# Altium PCB INF_PRO.PcbDoc (part 2 of 2)
Units mil, origin at the board's own origin, x right, y up, seen from the top; angles counter-clockwise.
Board outline 5716.71 x 3551.48 mil, 2 copper layers (Top Layer, Bottom Layer); 197 components, 160 nets, 707 pads, 111 vias.
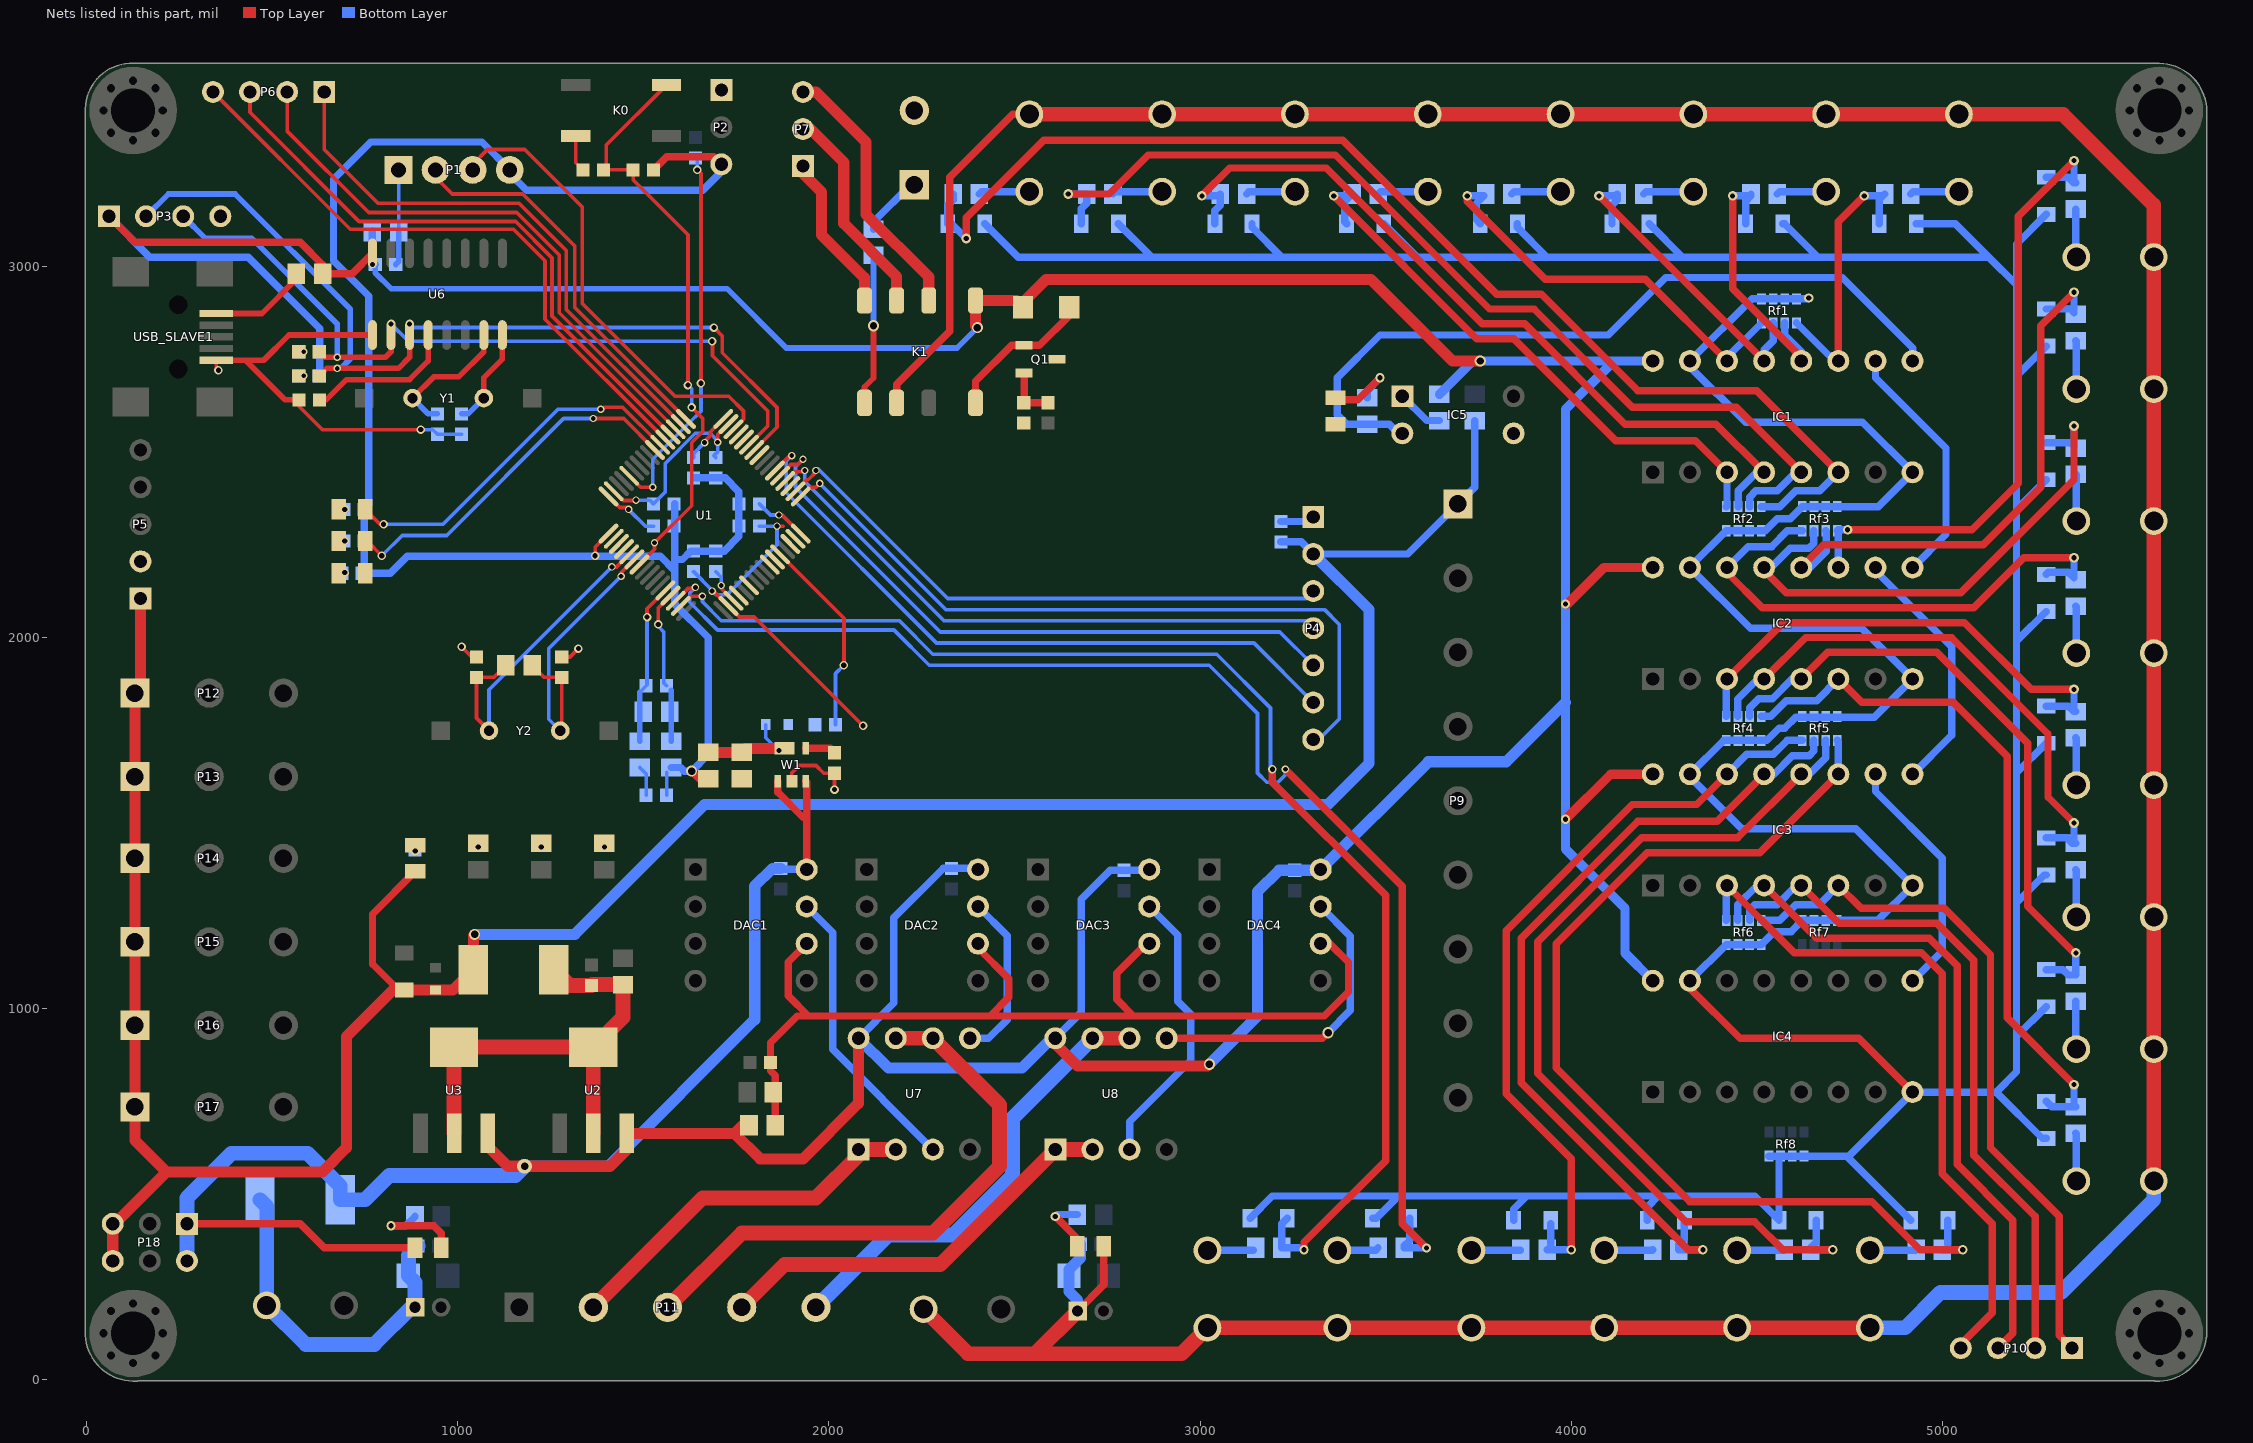
[diagram p2: the nets of this part, all layers, seen from the top]

## Via types
v1: diameter 20, hole 13, Top Layer to Bottom Layer, 34 vias
v2: diameter 23, hole 14, Top Layer to Bottom Layer, 33 vias
v3: diameter 26, hole 14, Top Layer to Bottom Layer, 24 vias
v4: diameter 25, hole 14, Top Layer to Bottom Layer, 12 vias
v5: diameter 30, hole 20, Top Layer to Bottom Layer, 7 vias
v6: diameter 40, hole 20, Top Layer to Bottom Layer, 1 vias

## Nets (pads, with @x,y where several pads share a name; then routed paths per layer and width w, separated by ;. In a path a pad name is that pad's centre, name@x,y a point inside that pad or via, vN(x,y) a via of type N, cw(c..) or ccw(c..) an arc to the next point about the centre after c; other vN are vias at no path point) (continued)
GND: BE.2 C1.2 C2.2 C3.2 C4.1 C5.1 C6.2 C7.2 C8.1 C11.2 C12.2 C24.2 C38.2 C39.1 C40.2 C41.1 C42.1 D2.1 D3.1 D5.1 D6.1 D7.1 D8.1 D9.1 D10.1 D11.1 D12.1 D13.1 D16.1 D17.1 D18.1 D19.1 D20.1 D21.1 D22.1 D23.1 D24.1 D25.1 D26.1 D27.1 IC1.8 IC1.15 IC2.8 IC2.15 IC3.8 IC3.15 IC4.8 IC4.15 IC5.3 K0.1 L2.1 LED3.2 LED4.2 P1.1 P2.1 P3.4 P4.1 P5.2 Q1.3 R00.2 R1.1 R01.2 R02.2 R43.2 Rf1.5 Rf1.6 Rf1.7 Rf1.8 Rf2.5 Rf2.6 Rf2.7 Rf2.8 Rf3.5 Rf3.6 Rf3.7 Rf3.8 Rf4.5 Rf4.6 Rf4.7 Rf4.8 Rf5.5 Rf5.6 Rf5.7 Rf5.8 Rf6.5 Rf6.6 Rf6.7 Rf6.8 Rf7.5 Rf7.6 Rf7.7 Rf7.8 Rf8.5 Rf8.6 Rf8.7 Rf8.8 U1.18 U1.31 U1.47 U1.63 U6.1 USB_SLAVE1.5 W1.2 | length 18865
  Top Layer w10: v2(355,2720) 349.06,2725.94 USB_SLAVE1.5@349.06,2747.01 USB_SLAVE1.5@385,2747.01 ; C40.2@572.44,2640 572.44,2622.56 635,2560 v2(900,2560) ; v2(1010,1975) 1037.44,1947.56 C6.2@1050,1947.56 ; C7.2@1280,1947.56 1302.56,1947.56 v2(1325,1970) ; K0.1@1317.95,3351.1 1317.95,3279.49 C5.1@1337.44,3260 ; U1.63@1420.02,2394.03 1444.05,2370 1446.56,2370 1446.56,2369.16 1479.16,2369.16 v1(1480,2370) ; v1(1685,2125) 1689.05,2125 U1.18@1729.03,2085.02 1759.05,2055 1798.94,2055 v2(2091.97,1761.97) ; v1(1700,2525.95) 1700,2545.95 U1.47@1729.03,2574.98 ; v1(1860,2300) 1876.92,2300 ; W1.2@1900,1612.52 1900,1635 1920,1655 1965,1655 1985.75,1634.25 C12.2@2015,1634.25 v2(2015,1590)
  Top Layer w15: USB_SLAVE1.5@385,2747.01 427.99,2747.01 ; C40.2@572.44,2640 535,2640 427.99,2747.01 ; U6.1@770,2815 545,2815 477.01,2747.01 427.99,2747.01
  Top Layer w20: IC4.15@4320,1075 4320,1055 4455,920 4775,920 IC4.8@4920,775
  Bottom Layer w10: P1.1@840,3260 840.43,3259.57 C38.2@840.43,3095 ; v2(900,2560) 932.44,2560 C42.1@945,2547.44 C41.1@1010,2547.44 ; v1(1480,2370) 1517.44,2370 C1.2@1527.44,2360 1527.44,2360.11 1559.04,2391.72 1559.04,2469.04 1640,2550 1680,2550 1700,2530 v1(1700,2525.95) 1700,2500 1690,2490 C2.2@1695,2485 ; L2.1@1490,1649.57 1507.44,1632.13 C8.1@1507.44,1575 ; C3.2@1635,2177.44 1685,2127.44 v1(1685,2125) 1695,2115 1725,2115 1860,2250 v1(1860,2300) C4.1@1812.56,2300
  Bottom Layer w15: C39.1@832.56,3005 840.43,3012.87 C38.2@840.43,3095
  Bottom Layer w20: D11.1@2420,3115 2510,3025 2865,3025 ; D10.1@2780,3115 2865,3030 2865,3025 ; D27.1@3135,435 3195,495 3880,495 ; D9.1@3140,3115 3140,3105 3220,3025 ; C24.2@3217.75,2312.56 P4.1@3292.56,2312.56 ; D26.1@3465,435 3475,435 3525,485 ; D8.1@3495,3115 3585,3025 ; D25.1@3845,430 3845,460 3880,495 ; D7.1@3855,3115 3855,3105 3935,3025 ; 3870,485 3880,495 ; D24.1@4205,430 4205,465 4235,495 ; D6.1@4210,3115 4300,3025 ; IC4.15@4320,1075 4417.5,1172.5 Rf6.8@4417.76,1172.5 Rf6.7@4449.25,1172.5 Rf6.6@4480.75,1172.5 Rf6.5@4512.24,1172.5 4547.24,1207.5 4592.5,1207.5 4622.5,1237.5 Rf7.5@4622.76,1237.5 Rf7.6@4654.25,1237.5 Rf7.7@4685.75,1237.5 Rf7.8@4717.24,1237.5 4825.83,1237.5 IC3.8@4920,1331.67 4766.67,1485 4460,1485 4320,1625 IC3.15@4320,1631.67 4410.83,1722.5 Rf4.8@4417.76,1722.5 Rf4.7@4449.25,1722.5 Rf4.6@4480.75,1722.5 Rf4.5@4512.24,1722.5 4527.5,1722.5 4560,1755 4575,1755 4605,1785 4816.67,1785 IC2.8@4920,1888.33 4783.33,2025 4483.33,2025 IC2.15@4320,2188.33 4320,2189.74 Rf2.8@4417.76,2287.5 Rf2.7@4449.25,2287.5 Rf2.6@4480.75,2287.5 Rf2.5@4512.24,2287.5 4522.5,2287.5 4555,2320 4590.26,2320 Rf3.5@4622.76,2352.5 Rf3.6@4654.25,2352.5 Rf3.7@4685.75,2352.5 Rf3.8@4717.24,2352.5 4827.5,2352.5 IC1.8@4920,2445 4785,2580 4470,2580 4320,2730 IC1.15@4320,2745 4487.5,2912.5 Rf1.5@4512.76,2912.5 Rf1.6@4544.25,2912.5 Rf1.7@4575.75,2912.5 Rf1.8@4607.24,2912.5 4637.5,2912.5 v4(4640,2915) ; Rf8.8@4532.76,602.5 Rf8.7@4564.25,602.5 Rf8.6@4595.75,602.5 Rf8.5@4627.24,602.5 4742.5,602.5 ; Rf8.7@4560,598.25 D23.1@4560,430 4495,495 4235,495 ; D5.1@4570,3115 4575,3115 4665,3025 ; D22.1@4915,430 4742.5,602.5 ; D2.1@4930,3115 5035,3115 5125,3025 ; 5200,2950 5125,3025 ; D21.1@5280,650 5270,650 5145,775 ; D20.1@5280,1005 5200,925 ; D19.1@5280,1360 5275,1360 5200,1285 ; D18.1@5280,1715 5200,1635 ; D17.1@5280,2070 5205,1995 5200,1995 ; D16.1@5280,2425 5200,2345 ; D13.1@5280,2785 5210,2715 5200,2715 ; D12.1@5280,3140 5200,3060 5200,2715 ; 2865,3025 3220,3025 ; 3220,3025 3585,3025 ; 3585,3025 3935,3025 ; 3880,495 4235,495 ; 3935,3025 4300,3025 ; 4300,3025 4665,3025 ; 4665,3025 5125,3025 ; 4742.5,602.5 4747.5,602.5 IC4.8@4920,775 5145,775 ; 5145,775 5200,830 5200,925 ; 5200,925 5200,1285 ; 5200,1285 5200,1635 ; 5200,1635 5200,1995 ; 5200,1995 5200,2345 ; 5200,2345 5200,2715
  other v2: 1055,1435 1225,1435 1395,1435
INT1: D26.2 R40.1 U1.14 | length 3630
  Top Layer w10: U1.14@1587.05,2098.94 1620,2131.89 1636.89,2131.89 v1(1640,2135)
  Top Layer w20: v1(3230,1645) 3545,1330 3545,420 v4(3610,355)
  Bottom Layer w10: v1(1640,2135) 1625,2120 1625,2095 1700,2020 2175,2020 2270,1925 3025,1925 3155,1795 3155,1635 3180,1610 3210,1610 3230,1630 v1(3230,1645)
  Bottom Layer w20: D26.2@3565,435 3565,375 3550.43,360.43 R40.1@3550.43,355 v4(3610,355)
INT2: D27.2 R41.1 U1.15 | length 3560.5
  Top Layer w10: U1.15@1600.97,2085.02 1626.95,2111 v1(1659,2111)
  Top Layer w20: v2(3195,1645) 3195,1610 3500,1305 3500,590 3280,370 v4(3280,350)
  Bottom Layer w10: v1(1659,2111) 1659,2096 1710,2045 2190,2045 2280,1955 3045,1955 3190,1810 3190,1650 v2(3195,1645)
  Bottom Layer w20: D27.2@3235,435 3220.43,420.43 R41.1@3220.43,355 3275,355 v4(3280,350)
LED0: D0.2 U1.54 | length 985.7
  Top Layer w10: D0.2@750.43,2345 790.43,2305 v2(800,2305) ; v1@1385,2610 1395,2620 1444.6,2620 U1.54@1545.29,2519.3
  Bottom Layer w10: v2(800,2305) 960,2305 1270,2615 v1(1385,2615)
LED1: D1.2 U1.55 | length 985.8
  Top Layer w10: D1.2@750.43,2260 755,2260 v2(795,2220) ; v1(1365,2590) 1446.76,2590 U1.55@1531.37,2505.38
  Bottom Layer w10: v2(795,2220) 850,2275 970,2275 1285,2590 v1(1365,2590)
LINE1: D2.2 IC1.11 R13.1 Rf1.1 | length 786
  Top Layer w20: IC1.11@4720,2745 4720,3120 v3(4790,3190)
  Bottom Layer w20: Rf1.1@4607.24,2847.5 4709.74,2745 IC1.11@4720,2745 IC1.11@4730,2755 ; v3(4790,3190) 4839.57,3190 R13.1@4844.57,3195 4830,3180.43 D2.2@4830,3115
LINE2: D5.2 IC1.12 R14.1 Rf1.2 | length 773.1
  Top Layer w20: v3(4435,3190) 4435,2940 4620,2755 IC1.12@4620,2745
  Bottom Layer w20: v3(4435,3190) R14.1@4479.57,3190 ; D5.2@4470,3115 4470,3175 4484.57,3189.57 R14.1@4484.57,3195 ; Rf1.2@4575.75,2847.5 4575.75,2814.25 4620,2770 IC1.12@4620,2745
LINE3: D6.2 IC1.13 R16.1 Rf1.3 | length 872.5
  Top Layer w20: v3(4075,3190) IC1.13@4520,2745
  Bottom Layer w20: v3(4075,3190) R16.1@4119.57,3190 ; D6.2@4110,3115 4110,3165 4124.57,3179.57 R16.1@4124.57,3195 ; IC1.13@4520,2745 4520,2775 4544.25,2799.25 Rf1.3@4544.25,2847.5
LINE4: D7.2 IC1.14 R17.1 Rf1.4 | length 1165.8
  Top Layer w20: v3(3720,3190) 3720,3175 3930,2965 4200,2965 IC1.14@4420,2745
  Bottom Layer w20: v3(3720,3190) 3764.57,3190 3745,3170.43 3745,3125 D7.2@3755,3115 ; IC1.14@4420,2745 4420,2754.74 Rf1.4@4512.76,2847.5
LINE5: D8.2 IC1.3 R18.1 Rf2.1 | length 1589.7
  Top Layer w20: v3(3360,3190) 3745,2805 3845,2805 4120,2530 4335,2530 IC1.3@4420,2445
  Bottom Layer w20: v3(3360,3190) 3404.57,3190 3390,3175.43 3390,3120 D8.2@3395,3115 ; Rf2.1@4417.76,2352.5 4420,2354.74 IC1.3@4420,2445
LINE6: D9.2 IC1.4 R19.1 Rf2.2 | length 2149.5
  Top Layer w20: v3(3005,3190) 3080,3265 3340,3265 3760,2845 3875,2845 4145,2575 4390,2575 IC1.4@4520,2445
  Bottom Layer w20: v3(3005,3190) R19.1@3049.57,3190 ; D9.2@3040,3115 3040,3150 3054.57,3164.57 R19.1@3054.57,3195 ; Rf2.2@4450,2352.5 4450,2395 4500,2445 IC1.4@4520,2445
LINE7: D10.2 IC1.5 R20.1 Rf2.3 | length 2700.9
  Top Layer w20: v3(2645,3195) 2755,3195 2860,3300 3365,3300 3780,2885 3900,2885 4165,2620 4445,2620 IC1.5@4620,2445
  Bottom Layer w20: v3(2645,3195) R20.1@2694.57,3195 2694.57,3169.57 2680,3155 D10.2@2680,3115 ; Rf2.3@4480.75,2352.5 4480.75,2378.32 4497.43,2395 4555,2395 4605,2445 IC1.5@4620,2445
LINE8: D11.2 IC1.6 R21.1 Rf2.4 | length 3262.1
  Top Layer w20: v3(2370,3075) 2370,3131.18 2578.82,3340 3385,3340 3800,2925 3920,2925 4180,2665 4500,2665 IC1.6@4720,2445
  Bottom Layer w20: R21.1@2334.57,3195 2334.57,3179.57 2320,3165 D11.2@2320,3115 2330,3115 v3(2370,3075) ; Rf2.4@4512.24,2352.5 4562.5,2352.5 4605,2395 4670,2395 IC1.6@4720,2445
LINE9: D12.2 IC2.11 R22.1 Rf3.1 | length 1713.6
  Top Layer w20: v3(4745,2290) 5080,2290 5205,2415 5205,3135 v3(5355,3285)
  Bottom Layer w20: IC2.11@4720,2188.33 4720,2284.74 Rf3.1@4717.24,2287.5 4719.74,2290 v3(4745,2290) ; D12.2@5280,3240 5340,3240 5354.57,3225.43 R22.1@5360,3225.43 ; R22.1@5355,3230.43 v3(5355,3285)
LINE10: D13.2 IC2.12 R23.1 Rf3.2 | length 1581.2
  Top Layer w20: IC2.12@4628.33,2188.33 IC2.12@4620,2188.33 4620,2190 4680,2250 5110,2250 5265,2405 5265,2840 v3(5355,2930)
  Bottom Layer w20: IC2.12@4620,2188.33 4643.33,2188.33 4687.24,2232.24 4687.24,2286 Rf3.2@4685.75,2287.5 ; D13.2@5280,2885 5345.43,2885 5355,2875.43 v3(5355,2930)
LINE11: D16.2 IC2.13 R24.1 Rf3.3 | length 1467.9
  Top Layer w20: IC2.13@4520,2188.33 4520,2180 4580,2120 5050,2120 5355,2425 v3(5355,2570)
  Bottom Layer w20: IC2.13@4520,2188.33 4538.33,2188.33 4590,2240 4640,2240 4654.25,2254.25 Rf3.3@4654.25,2287.5 ; D16.2@5280,2525 5345.43,2525 5355,2515.43 v3(5355,2570)
LINE12: D17.2 IC2.14 R25.1 Rf3.4 | length 1425.5
  Top Layer w20: IC2.14@4420,2188.33 4420,2175 4515,2080 5085,2080 5220,2215 v3(5355,2215)
  Bottom Layer w20: IC2.14@4420,2188.33 4476.67,2245 4540,2245 4582.5,2287.5 Rf3.4@4622.76,2287.5 ; D17.2@5280,2170 5285.43,2175.43 5340,2175.43 5355,2160.43 v3(5355,2215)
LINE13: D18.2 IC2.3 R26.1 Rf4.1 | length 1314.7
  Top Layer w20: IC2.3@4420,1888.33 4571.67,2040 5060,2040 5240,1860 v3(5355,1860)
  Bottom Layer w20: Rf4.1@4417.76,1787.5 4417.76,1886.09 IC2.3@4420,1888.33 ; D18.2@5280,1815 5340,1815 5354.57,1800.43 R26.1@5360,1800.43 ; R26.1@5355,1805.43 v3(5355,1860)
LINE14: D19.2 IC2.4 R27.1 Rf4.2 | length 1463.4
  Top Layer w20: IC2.4@4520,1888.33 4631.67,2000 5025,2000 5285,1740 5285,1570 v3(5355,1500)
  Bottom Layer w20: Rf4.2@4449.25,1787.5 4449.25,1834.25 4503.33,1888.33 IC2.4@4520,1888.33 ; D19.2@5280,1460 5335,1460 5349.57,1445.43 R27.1@5360,1445.43 ; R27.1@5355,1450.43 v3(5355,1500)
LINE15: D20.2 IC2.5 R28.1 Rf4.3 | length 1703.2
  Top Layer w20: IC2.5@4620,1888.33 4691.67,1960 4985,1960 5230,1715 5230,1275 5355,1150 v3(5360,1150)
  Bottom Layer w20: Rf4.3@4480.75,1787.5 4480.75,1810.75 4505,1835 4542.57,1835 4595.91,1888.33 IC2.5@4620,1888.33 ; D20.2@5280,1105 5325,1105 5339.57,1090.43 R28.1@5360,1090.43 v3(5360,1150)
LINE16: D21.2 IC2.6 R29.1 Rf4.4 | length 1891
  Top Layer w20: IC2.6@4720,1888.33 4783.33,1825 5030,1825 5175,1680 5175,975 v3(5355,795)
  Bottom Layer w20: Rf4.4@4512.24,1787.5 4537.5,1787.5 4580,1830 4661.67,1830 IC2.6@4720,1888.33 ; D21.2@5280,750 5294.57,735.43 R29.1@5360,735.43 ; R29.1@5355,740.43 v3(5355,795)
LINE17: D22.2 IC3.11 R30.1 Rf5.1 | length 2793.7
  Top Layer w20: IC3.11@4720,1631.67 4508.33,1420 4205,1420 3960,1175 3960,840 4320,480 4810,480 4940,350 v3(5055,350)
  Bottom Layer w20: Rf5.1@4717.24,1722.5 4720,1719.74 IC3.11@4720,1631.67 ; R30.1@5000.43,350 v3(5055,350) ; R30.1@5015,365 D22.2@5015,430
LINE18: D23.2 IC3.12 R31.1 Rf5.2 | length 2520.2
  Top Layer w20: IC3.12@4620,1631.67 4448.33,1460 4190,1460 3910,1180 3910,825 4310,425 4495,425 4570,350 v3(4705,350)
  Bottom Layer w20: IC3.12@4620,1631.67 4641.67,1631.67 4685.75,1675.75 Rf5.2@4685.75,1722.5 ; D23.2@4660,430 4660,370 4645.43,355.43 R31.1@4645.43,350 v3(4705,350)
LINE19: D24.2 IC3.13 R32.1 Rf5.3 | length 2243.4
  Top Layer w20: v3(4355,350) 4315,350 3865,800 3865,1190 4180,1505 4393.33,1505 IC3.13@4520,1631.67
  Bottom Layer w20: D24.2@4305,430 4305,380 4290.43,365.43 R32.1@4290.43,350 v3(4355,350) ; IC3.13@4520,1631.67 4546.67,1631.67 4596.19,1681.19 4641.19,1681.19 4654.25,1694.25 Rf5.3@4654.25,1722.5
LINE20: D25.2 IC3.14 R33.1 Rf5.4 | length 2077.5
  Top Layer w20: v3(4000,350) 4000,595 3825,770 3825,1210 4165,1550 4338.33,1550 IC3.14@4420,1631.67
  Bottom Layer w20: R33.1@3935.43,350 v3(4000,350) ; R33.1@3945.43,350 D25.2@3945.43,420.43 ; IC3.14@4420,1631.67 4473.33,1685 4545,1685 4582.5,1722.5 Rf5.4@4622.76,1722.5
LINE21: IC3.3 P10.4 Rf6.1 | length 1870.5
  Top Layer w20: IC3.3@4420,1331.67 4601.67,1150 4944.06,1150 5000,1094.06 5000,555 5135,420 5135,180 5050,95 P10.4@5050,85
  Bottom Layer w20: Rf6.1@4417.76,1237.5 IC3.3@4417.76,1329.42
LINE22: IC3.4 P10.3 Rf6.2 | length 1852.7
  Top Layer w20: IC3.4@4520,1331.67 4661.67,1190 4965,1190 5040,1115 5040,580 5190,430 5190,125 P10.3@5150,85
  Bottom Layer w20: Rf6.2@4449.25,1237.5 4449.25,1279.25 4501.67,1331.67 IC3.4@4520,1331.67
LINE23: IC3.5 P10.2 Rf6.3 | length 1856.7
  Top Layer w20: IC3.5@4620,1331.67 4721.67,1230 4985,1230 5085,1130 5085,605 5250,440 P10.2@5250,85
  Bottom Layer w20: Rf6.3@4480.75,1237.5 4480.75,1265.75 4495,1280 4555,1280 4606.67,1331.67 IC3.5@4620,1331.67
LINE24: IC3.6 P10.1 Rf6.4 | length 1885.2
  Top Layer w20: IC3.6@4720,1331.67 4781.67,1270 5005,1270 5130,1145 5130,625 5315,440 5315,120 P10.1@5350,85
  Bottom Layer w20: Rf6.4@4512.24,1237.5 4562.5,1237.5 4605,1280 4668.33,1280 IC3.6@4720,1331.67
NetBE_1: BE.1 R44.2 | length 171
  Bottom Layer w20: R44.2@2120,3100.43 2120,3120 2220,3220 BE.1@2230,3220
NetC11_1: C11.1 D3.2 F2.1 W1.5 | length 294.2
  Top Layer w30: F2.1@1675,1690.43 C11.1@1765,1690.43 1775.67,1701.1 W1.5@1880.32,1701.1
  Bottom Layer w10: D3.2@1830,1765 1830,1730 v1(1865,1695)
NetC12_1: C12.1 W1.4 | length 82.5
  Top Layer w20: W1.4@1937.4,1701.1 2003.27,1701.1 C12.1@2015,1689.37
NetC14_1: C14.1 C15.2 F4.1 U2.2 U2.4 U3.2 U3.4 | length 1246.4
  Top Layer w40: U3.2@990,663.86 U3.4@990,896.14 U2.4@1365,896.14 ; F4.1@1258.27,1105 1300.83,1062.44 C15.2@1360,1062.44 1362.13,1064.57 C14.1@1445,1064.57 1445,976.14 U2.4@1365,896.14 ; U2.2@1365,663.86 U2.4@1365,896.14
NetC25_1: C25.1 C27.2 Ce1.1 F1.1 JS5.1 | length 960.6
  Bottom Layer w40: F1.1@466.73,485 485,466.73 JS5.1@485,200 590,95 775,95 875,195 Ce1.1@885,195 885,261.85 C25.1@866.85,280 866.85,334.41 C27.2@892.44,360
NetC40_1: C40.1 U6.4 | length 405.9
  Top Layer w15: C40.1@627.56,2640 645,2640 700,2695 870,2695 920,2745 U6.4@920,2815
NetC41_2: C41.2 U6.8 Y1.1 | length 268.3
  Top Layer w15: Y1.1@1070,2645 1070,2700 1120,2750 U6.8@1120,2815
  Bottom Layer w15: C41.2@1010,2602.56 1027.56,2602.56 Y1.1@1070,2645
NetC42_2: C42.2 U6.7 Y1.2 | length 373.6
  Top Layer w15: Y1.2@877.87,2645 935,2702.13 1002.13,2702.13 1070,2770 U6.7@1070,2815
  Bottom Layer w15: Y1.2@877.87,2645 920.31,2602.56 C42.2@945,2602.56
NetC45_2: C45.2 DAC1.6 DAC2.6 DAC3.6 DAC4.6 R37.1 R38.2 | length 2761.4
  Top Layer w20: R38.2@1855.43,685 1855.43,819.57 1842.56,832.44 C45.2@1842.56,855 1842.56,907.56 1915,980 1945,980 ; DAC1.6@1940,1175 1890.47,1125.47 1890.47,1034.53 1945,980 ; DAC2.6@2401.67,1175 2401.67,1163.33 2485,1080 2485,1030 2435,980 ; DAC3.6@2863.33,1175 2855,1175 2775,1095 2775,1025 2820,980 ; DAC4.6@3325,1175 3350,1175 3400,1125 3400,1045 3335,980 2820,980 ; 1945,980 2820,980
NetD0_1: D0.1 R9.2
  other v2: 695,2345
NetD1_1: D1.1 R10.2
  other v2: 695,2260
NetDAC1_7: DAC1.7 U7.3 | length 795.8
  Bottom Layer w20: DAC1.7@1940,1275 2010,1205 2010,890 U7.3@2280,620
NetDAC2_7: DAC2.7 U7.5 | length 458.2
  Bottom Layer w20: U7.5@2380,920 2430,920 2480,970 2480,1196.67 DAC2.7@2401.67,1275
NetDAC3_7: DAC3.7 U8.3 | length 769.6
  Bottom Layer w20: U8.3@2810,620 2810,695 2975,860 2975,985 2940,1020 2940,1198.33 DAC3.7@2863.33,1275
NetDAC4_7: DAC4.7 U8.5 | length 844.2
  Top Layer w20: U8.5@2910,920 3330,920 v5(3345,935) ; DAC4.7@3325,1275 DAC4.7@3330,1275
  Bottom Layer w20: DAC4.7@3325,1275 3405,1195 3405,995 v5(3345,935)
NetDK_1: DK.1 K1.8 Q1.1 | length 406.1
  Top Layer w20: K1.8@2395,2632.2 2395,2690 2492.4,2787.4 Q1.1@2525.71,2787.4 2567.4,2787.4 2647,2867 DK.1@2647,2890
NetF3_1: F3.1 USB_SLAVE1.1 | length 268.3
  Top Layer w15: USB_SLAVE1.1@349.06,2872.99 472.01,2872.99 564.57,2965.55 F3.1@564.57,2980
NetIC1_9: IC1.9 IC5.2 R36.1 | length 2071.2
  Bottom Layer w20: IC5.2@3545,2550 3534.57,2550 3510,2574.57 R36.1@3450,2574.57 3395.43,2574.57 3370,2600 3370,2700 3485,2815 4100,2815 4255,2970 4730,2970 4920,2780 IC1.9@4920,2745
NetIC1_10: IC1.10 IC2.9 | length 672.6
  Bottom Layer w20: IC1.10@4820,2745 4820,2700 5010,2510 5010,2278.33 IC2.9@4920,2188.33
NetIC2_10: IC2.10 IC3.9 | length 685.1
  Bottom Layer w20: IC2.10@4820,2188.33 4820,2180 5025,1975 5025,1736.67 IC3.9@4920,1631.67
NetIC3_10: IC3.10 IC4.9 | length 664.4
  Bottom Layer w20: IC3.10@4820,1631.67 4820,1585 5000,1405 5000,1155 IC4.9@4920,1075
NetIC5_1: IC5.1 R34.2 | length 127.1
  Bottom Layer w20: IC5.1@3545,2650 3610.43,2584.57 R34.2@3645,2584.57
NetJ1_2: J1.2 R13.2 | length 132.2
  Bottom Layer w20: R13.2@4915.43,3195 4921.77,3201.34 J1.2@5045,3201.34
NetJ2_2: J2.2 R14.2 | length 134.3
  Bottom Layer w20: R14.2@4555.43,3195 4561.77,3201.34 J2.2@4687.14,3201.34
NetJ3_2: J3.2 R16.2 | length 136.5
  Bottom Layer w20: R16.2@4195.43,3195 4201.77,3201.34 J3.2@4329.29,3201.34
NetJ4_2: J4.2 R17.2 | length 133.6
  Bottom Layer w20: R17.2@3840.43,3195 3846.77,3201.34 J4.2@3971.43,3201.34
NetJ5_2: J5.2 R18.2 | length 135.8
  Bottom Layer w20: R18.2@3480.43,3195 3486.77,3201.34 J5.2@3613.57,3201.34
NetJ6_2: J6.2 R19.2 | length 132.9
  Bottom Layer w20: R19.2@3125.43,3195 3131.77,3201.34 J6.2@3255.71,3201.34
NetJ7_2: J7.2 R20.2 | length 135
  Bottom Layer w20: R20.2@2765.43,3195 2771.77,3201.34 J7.2@2897.86,3201.34
NetJ8_2: J8.2 R21.2 | length 137.2
  Bottom Layer w20: R21.2@2405.43,3195 2411.77,3201.34 J8.2@2540,3201.34
NetJ9_2: J9.2 R22.2 | length 130.1
  Bottom Layer w20: R22.2@5360,3154.57 5360,3026.34 J9.2@5361.34,3025
NetJ10_2: J10.2 R23.2 | length 130.8
  Bottom Layer w20: R23.2@5360,2799.57 5361.34,2798.23 J10.2@5361.34,2669.29
NetJ11_2: J11.2 R24.2 | length 126.6
  Bottom Layer w20: R24.2@5360,2439.57 5361.34,2438.23 J11.2@5361.34,2313.57
NetJ12_2: J12.2 R25.2 | length 127.3
  Bottom Layer w20: R25.2@5360,2084.57 5361.34,2083.23 J12.2@5361.34,1957.86
NetJ13_2: J13.2 R26.2 | length 128
  Bottom Layer w20: R26.2@5360,1729.57 5361.34,1728.23 J13.2@5361.34,1602.14
NetJ14_2: J14.2 R27.2 | length 128.7
  Bottom Layer w20: R27.2@5360,1374.57 5361.34,1373.23 J14.2@5361.34,1246.43
NetJ15_2: J15.2 R28.2 | length 129.4
  Bottom Layer w20: R28.2@5360,1019.57 5360,892.05 J15.2@5361.34,890.71
NetJ16_2: J16.2 R29.2 | length 130.1
  Bottom Layer w20: R29.2@5360,664.57 5361.34,663.23 J16.2@5361.34,535
NetJ17_2: J17.2 R30.2 | length 125.2
  Bottom Layer w20: J17.2@4804.96,348.66 4928.23,348.66 R30.2@4929.57,350
NetJ18_2: J18.2 R31.2 | length 128
  Bottom Layer w20: J18.2@4447.1,348.66 4573.23,348.66 R31.2@4574.57,350
NetJ19_2: J19.2 R32.2 | length 130.9
  Bottom Layer w20: J19.2@4089.25,348.66 4218.23,348.66 R32.2@4219.57,350
NetJ20_2: J20.2 R33.2 | length 131.8
  Bottom Layer w20: J20.2@3731.39,348.66 R33.2@3863.23,348.66
NetJ21_2: J21.2 R40.2 | length 112.2
  Bottom Layer w20: J21.2@3370,348.66 3473.23,348.66 R40.2@3479.57,355
NetJ22_2: J22.2 R41.2 | length 123.2
  Bottom Layer w20: J22.2@3020,348.66 R41.2@3143.23,348.66
NetK1_2: K1.2 P7.3 | length 723.1
  Top Layer w30: P7.3@1930,3470 1965,3470 2100,3335 2100,3140 2269.02,2970.98 K1.2@2269.02,2907.8
NetK1_3: K1.3 P7.2 | length 578.5
  Top Layer w30: P7.2@1930,3370 1950,3370 2040,3280 2040,3115 2182.4,2972.6 K1.3@2182.4,2907.8
NetK1_4: K1.4 P7.1 | length 430.9
  Top Layer w30: P7.1@1930,3270 1930,3250 1980,3200 1980,3085 2095.79,2969.21 K1.4@2095.79,2907.8
NetK1_5: K1.5 R44.1 | length 407.4
  Top Layer w15: K1.5@2095.79,2632.2 2095.79,2675 2120,2699.21 v5(2120,2840)
  Bottom Layer w15: v5(2120,2840) R44.1@2120,3029.57
NetLED1_2: LED1.2 R45.1 | length 166.3
  Top Layer w20: v4(2610,440) 2669.57,380.43 LED1.2@2669.57,360
  Bottom Layer w20: v4(2610,440) 2615,445 R45.1@2669.57,445
NetLED2_2: LED2.2 R46.2 | length 258.6
  Top Layer w20: v4(820,415) 935,415 955.43,394.57 LED2.2@955.43,355
  Bottom Layer w20: v4(820,415) 860,415 884.57,439.57 R46.2@884.57,440
NetLED3_1: LED3.1 R36.2 | length 216.2
  Top Layer w20: LED3.1@3365,2645.43 3370.43,2640 3425,2640 v4(3485,2700)
  Bottom Layer w20: R36.2@3450,2645.43 3450,2665 v4(3485,2700)
NetLED4_1: LED4.1 R15.2
  other v2: 695,2175
NetLED5_1: LED5.1 R11.1
  other v1: 585,2770
NetLED6_1: LED6.1 R12.2
  other v1: 585,2705
NetLED7_2: LED7.2 R47.1
  other v4: 885,1425
NetP11_2: P11.2 U7.1 U7.2 | length 999.8
  Top Layer w40: P11.2@1365,195 1660,490 1965,490 2080,605 U7.1@2080,620 U7.2@2180,620
NetP11_3: P11.3 U7.6 U7.7 | length 1572
  Top Layer w40: P11.3@1565,195 1765,395 2280,395 2460,575 2460,740 U7.6@2280,920 U7.7@2180,920
NetP11_4: P11.4 U8.1 U8.2 | length 1121
  Top Layer w40: P11.4@1765,195 1880,310 2300,310 U8.1@2610,620 U8.2@2710,620
NetP11_5: P11.5 U8.6 U8.7 | length 1236.1
  Top Layer w40: U8.7@2710,920 U8.6@2810,920
  Bottom Layer w40: P11.5@1965,195 2160,390 2335,390 2495,550 2495,705 U8.7@2710,920
NetQ1_2: Q1.2 R42.2 R43.1 | length 145.3
  Top Layer w20: Q1.2@2525.71,2712.6 2525.71,2633.27 R43.1@2525,2632.56 R42.2@2590,2632.56
NetR1_2: R1.2 U1.28 | length 540.3
  Top Layer w10: U1.28@1868.22,2224.21 2040.75,2051.69 2040.75,1925.75 v2(2040,1925)
  Bottom Layer w10: R1.2@2017.56,1765 2017.56,1902.56 v2(2040,1925)
NetR2_2: R2.2 U1.60 | length 1024.5
  Top Layer w10: U1.60@1461.78,2435.79 1492.56,2405 v1(1525,2405) ; v2(1645,3260) 1655,3250 v2(1655,2685)
  Bottom Layer w10: v1(1525,2405) 1525,2480 1639.5,2594.5 1640.56,2594.5 1655.5,2609.44 1655.5,2684.5 v2(1655,2685) ; R2.2@1640,3292.44 1645,3287.44 v2(1645,3260)
NetR5_2: R5.2 U1.19 | length 98.4
  Top Layer w10: v1(1710,2140) 1710,2131.89 U1.19@1742.95,2098.94
  Bottom Layer w10: R5.2@1695,2177.44 1710,2162.44 v1(1710,2140)
NetR6_2: R6.2 U1.32 | length 144.5
  Top Layer w10: v1(1865,2330) 1873.79,2330 U1.32@1923.9,2279.89
  Bottom Layer w10: R6.2@1812.56,2360 1842.56,2330 v1(1865,2330)
NetR7_1: R7.1 U1.64 | length 154.5
  Top Layer w10: U1.64@1406.1,2380.11 1436.04,2350.16 1454.84,2350.16 v1(1460,2345)
  Bottom Layer w10: v1(1460,2345) 1505,2300 R7.1@1527.44,2300
NetR8_1: R8.1 U1.48 | length 137.5
  Top Layer w10: v1(1665,2525) 1665,2528.41 1680.92,2544.33 1680.92,2554.38 1696.9,2570.36 1697.54,2570.36 1715.11,2587.93 U1.48@1715.11,2588.9
  Bottom Layer w10: R8.1@1635,2485 1635,2495 v1(1665,2525)
OLED_CS: P4.7 U1.33 | length 1970.7
  Top Layer w10: U1.33@1923.9,2380.11 1925.11,2380.11 1950,2405 1965,2405 v1(1975,2415)
  Bottom Layer w10: v1(1975,2415) 2315,2075 3335,2075 3375,2035 3375,1780 3320,1725 P4.7@3305,1725
OLED_DC: P4.6 U1.38 | length 1822.6
  Top Layer w10: U1.38@1854.3,2449.71 1894.6,2490 v1(1900,2490)
  Bottom Layer w10: v1(1900,2490) 1885,2475 1885,2390 2290,1985 3145,1985 P4.6@3305,1825
OLED_RES: P4.5 U1.37 | length 1758.3
  Top Layer w10: U1.37@1868.22,2435.79 1869.19,2435.79 1870.74,2437.34 1870.74,2439.27 1897.47,2466 1916,2466 v1(1930,2480)
  Bottom Layer w10: v1(1930,2480) 1910,2460 1910,2405 2300,2015 3215,2015 P4.5@3305,1925
OSC_IN: C6.1 R4.2 U1.5 Y2.2 | length 890.1
  Top Layer w10: Y2.2@1083.94,1748.79 1050,1782.73 C6.1@1050,1892.44 1097.01,1892.44 R4.2@1129.57,1925 ; v1(1415,2190) 1427.56,2190 U1.5@1461.78,2224.21
  Bottom Layer w10: Y2.2@1083.94,1748.79 1083.94,1858.94 v1(1415,2190)
OSC_OUT: C7.1 R4.1 U1.6 Y2.1 | length 808.3
  Top Layer w10: R4.1@1200.43,1925 1232.99,1892.44 C7.1@1280,1892.44 1280,1752.72 Y2.1@1276.07,1748.79 ; v1(1440,2165) 1440,2174.6 U1.6@1475.7,2210.29
  Bottom Layer w10: Y2.1@1276.07,1748.79 1245,1779.85 1245,1970 v1(1440,2165)
PA4: U1.20
PA6: U1.22
PA8: U1.41
PA9: LED6.2 P3.2 U1.42 U6.3 | length 2459.6
  Top Layer w10: v2(1690,2835) 1712.5,2812.5 1712.5,2767.5 1860,2620 1860,2566.76 U1.42@1798.63,2505.38
  Top Layer w15: LED6.2@626.56,2705 646.56,2725 v1(675,2725) 840,2725 870,2755 U6.3@870,2815
  Bottom Layer w10: v2(870,2845) 870,2840 875,2835 v2(1690,2835)
  Bottom Layer w15: P3.2@160,3135 220,3195 400,3195 710,2885 710,2751.11 683.89,2725 v1(675,2725)
PA10: LED5.2 P3.3 U1.43 U6.2 | length 2124.1
  Top Layer w10: v2(1685,2798) 1686,2799 1686,2759 1835,2610 1835,2569.6 U1.43@1784.71,2519.3
  Top Layer w15: LED5.2@626.56,2770 641.56,2755 v1(675,2755) 805,2755 820,2770 U6.2@820,2815
  Bottom Layer w10: v2(820,2845) 867,2798 v2(1685,2798)
  Bottom Layer w15: P3.3@260,3135 320,3075 445,3075 675,2845 v1(675,2755)
PA11: U1.44
PA12: U1.45
PA15: P6.1 U1.50 | length 1515.7
  Top Layer w10: P6.1@640,3470 640,3315 785,3170 1165,3170 1292,3043 1292,2883.95 U1.50@1600.97,2574.98
PB0: U1.26
PB1: U1.27
PB11: U1.30
PB13: P4.3 U1.34 | length 1575.8
  Top Layer w10: U1.34@1909.98,2394.03 1940.95,2425 1943.94,2425 1965,2446.06 v1(1965,2450)
  Bottom Layer w10: v1(1965,2450) 1970,2455 2320,2105 3285,2105 P4.3@3305,2125
PB14: U1.35
PB15: P4.4 U1.36 | length 1631.8
  Top Layer w10: U1.36@1882.14,2421.87 1907.01,2446.73 1929.11,2446.73 1935,2452.62 v1(1935,2450)
  Bottom Layer w10: v1(1935,2450) 1935,2420 2310,2045 3285,2045 P4.4@3305,2025
PC10: P6.2 U1.51 | length 1576.2
  Top Layer w10: P6.2@540,3470 540,3365 760,3145 1158.74,3145 1273,3030.74 1273,2875.11 U1.51@1587.05,2561.06
PC11: P6.3 U1.52 | length 1639.3
  Top Layer w10: P6.3@440,3470 440,3415 734,3121 1155.87,3121 1254,3022.87 1254,2866.28 U1.52@1573.13,2547.14
PC12: P6.4 U1.53 | length 1699.5
  Top Layer w10: P6.4@340,3470 710,3100 1150,3100 1235,3015 1235,2857.44 U1.53@1559.21,2533.22
PC13: U1.2
PC14: U1.3
PC15: U1.4
RESET: C5.2 K0.2 R3.2 U1.7 | length 1573.5
  Top Layer w10: C5.2@1400,3260 R3.2@1472.44,3260 1472.44,3232.56 1620,3085 v2(1620,2680) ; C5.2@1400,3267.44 1400,3326.85 K0.2@1562.05,3488.9 ; U1.7@1489.62,2196.37 1490.58,2196.37 1490.58,2198.31 1530,2237.73 v1(1530,2255) 1630,2355 1630,2525 1660,2555 1660,2590 v2(1630,2620)
  Bottom Layer w10: v2(1620,2680) 1630,2670 v2(1630,2620)
SWCLK: P1.2 U1.49 | length 1061.9
  Top Layer w10: P1.2@940,3260 940,3240 985,3195 1175,3195 1315,3055 1315,2888.79 U1.49@1614.89,2588.9
SWDIO: P1.3 U1.46 | length 1286
  Top Layer w10: P1.3@1040,3240 P1.3@1040,3260 1040,3275 1080,3315 1180,3315 1335,3160 1335,2900 1585,2650 1730,2650 1770,2610 1770,2588.11 U1.46@1742.95,2561.06
VCC3.3: C24.1 D14.2 D15.2 F4.2 LED7.1 P4.2 P5.1 P9.1 P12.1 P13.1 P14.1 P15.1 P16.1 P17.1 P18.3 P18.6 R35.2 | length 7627.7
  Top Layer w20: D15.2@855,1050 840,1050 770,1120 770,1254.57 LED7.1@885,1369.57
  Top Layer w30: P18.6@70,320 P18.3@70,420 75,420 215,560 ; P5.1@145,2105 145,1865 P12.1@130,1850 P14.1@130,1405 P15.1@130,1180 P16.1@130,955 P17.1@130,735 130,645 215,560 ; D15.2@840,1050 825,1050 700,925 700,625 635,560 215,560 ; D15.2@855,1050 D14.2@940,1050 986.73,1050 F4.2@1041.73,1105 1041.73,1196.73 v5(1045,1200)
  Bottom Layer w20: C24.1@3217.75,2257.44 3272.56,2257.44 P4.2@3305,2225 3560,2225 P9.1@3695,2360 3740,2405 R35.2@3740,2584.57
  Bottom Layer w30: v5(1045,1200) 1315,1200 1665,1550 3345,1550 3455,1660 3455,2075 P4.2@3305,2225
VCC5: C20.1 C21.1 C22.1 C23.1 C38.1 C39.2 DAC1.8 DAC2.8 DAC3.8 DAC4.8 DK.2 F1.2 F3.2 IC1.16 IC2.16 IC3.16 IC4.16 K1.1 LED2.1 P3.1 P18.1 P18.4 R11.2 R12.1 R34.1 R38.1 U2.3 U3.3 U6.16 U7.8 U8.8 W1.1 W1.3 | length 16908.9
  Top Layer w20: P3.1@60,3135 130,3065 575,3065 635.43,3004.57 F3.2@635.43,2980 715,2980 U6.16@770,3035 ; P18.1@270,420 575,420 640,355 LED2.1@884.57,355 ; W1.1@1862.6,1612.52 1862.6,1582.4 1930,1515 1940,1515 ; W1.3@1937.4,1612.52 1940,1609.92 1940,1515 ; DAC1.8@1940,1375 1940,1515
  Top Layer w25: v4(3985,1510) 4106.67,1631.67 IC3.16@4220,1631.67 ; v4(3985,2090) 3990,2090 4088.33,2188.33 IC2.16@4220,2188.33
  Top Layer w30: U3.3@1080.55,663.86 1080.55,629.45 1135,575 v6(1180,575) 1410,575 1455.55,620.55 U2.3@1455.55,663.86 1746.14,663.86 ; R38.1@1784.57,685 1767.28,685 1746.14,663.86 ; U7.8@2080,920 2080,745 1930,595 1815,595 1746.14,663.86 ; v5(2400,2835) 2395,2840 K1.1@2395,2907.8 2505.2,2907.8 DK.2@2523,2890 2523,2903 2585,2965 3460,2965 3680,2745 v5(3755,2745) ; U8.8@2610,920 2610,905 2670,845 3020,845 v5(3025,850)
  Bottom Layer w15: C39.2@777.44,3005 777.44,2982.56 820,2940 1725,2940 1885,2780 2345,2780 v5(2400,2835)
  Bottom Layer w20: P3.1@60,3135 170,3025 435,3025 627.56,2832.44 R11.2@627.56,2770 627.56,2706 R12.1@626.56,2705 ; C38.1@769.57,3095 769.57,3012.87 C39.2@777.44,3005 ; C20.1@1870,1377.56 1872.56,1375 DAC1.8@1940,1375 ; U7.8@2080,920 2175,1015 2175,1245 2307.56,1377.56 C21.1@2330,1377.56 2399.11,1377.56 DAC2.8@2401.67,1375 ; U8.8@2610,920 2680,990 2680,1295 2757.56,1372.56 C22.1@2795,1372.56 DAC3.8@2860.89,1372.56
  Bottom Layer w25: R34.1@3645,2655.43 3734.57,2745 IC1.16@4220,2745 ; 4112.5,2742.5 3985,2615 v4(3985,2090) 3985,1825 v4(3985,1510) 3985,1430 4145,1270 4145,1150 IC4.16@4220,1075
  Bottom Layer w30: v6(1180,575) 1405,575 1800,970 1800,1330 1847.56,1377.56 C20.1@1870,1377.56 ; U7.8@2080,920 2160,840 2520,840 2600,920 U8.8@2610,920 ; v5(3025,850) 3155,980 3155,1315 3212.56,1372.56 C23.1@3255,1372.56 3322.56,1372.56 DAC4.8@3325,1375 3615,1665 3825,1665 3985,1825
  Bottom Layer w40: P18.4@270,320 P18.1@270,420 270,490 390,610 595,610 683.27,521.73 F1.2@683.27,485 750,485 815,550 1155,550 v6(1180,575)
  other v1: 770,3005
VCC24: C26.1 C28.1 Ce2.1 J1.1 J2.1 J3.1 J4.1 J5.1 J6.1 J7.1 J8.1 J9.1 J10.1 J11.1 J12.1 J13.1 J14.1 J15.1 J16.1 J17.1 J18.1 J19.1 J20.1 J21.1 J22.1 JS24.1 K1.6 LED1.1 | length 10869.2
  Top Layer w20: K1.6@2182.4,2642.4 2182.4,2682.4 2325,2825 2325,3240 2495,3410 J8.1@2540,3410 ; Ce2.1@2670,185 2740.43,255.43 LED1.1@2740.43,360
  Top Layer w40: JS24.1@2255,190 2375,70 2555,70 ; J8.1@2540,3410 J7.1@2897.86,3410 J6.1@3255.71,3410 J5.1@3613.57,3410 J4.1@3971.43,3410 J3.1@4329.29,3410 J2.1@4687.14,3410 J1.1@5045,3410 5325,3410 5570,3165 J9.1@5570,3025 J12.1@5570,1957.86 J15.1@5570,890.71 J16.1@5570,535 J16.1@5570,525 ; Ce2.1@2670,185 2555,70 ; J17.1@4804.96,140 J18.1@4447.1,140 J21.1@3370,140 J22.1@3020,140 2950,70 2555,70
  Bottom Layer w30: Ce2.1@2670,185 2670,215 2646.85,238.15 C26.1@2646.85,280 2646.85,296.85 2677.44,327.44 C28.1@2677.44,365
  Bottom Layer w40: J17.1@4804.96,140 4900,140 4995,235 5320,235 5570,485 J16.1@5570,535
VDD: C1.1 C2.1 C3.1 C4.2 C8.2 F2.2 L1.1 P1.4 P2.3 R3.1 R5.1 R6.1 R7.2 R8.2 R9.1 R10.1 R15.1 U1.1 | length 4859.9
  Top Layer w10: v2(1370,2220) 1370,2243.79 U1.1@1406.1,2279.89
  Top Layer w20: R3.1@1527.56,3260 1562.56,3295 1690,3295 P2.3@1710,3275 ; v5(1630,1640) 1650.43,1619.57 F2.2@1675,1619.57
  Bottom Layer w10: C8.2@1562.56,1575 L1.1@1562.56,1637.13
  Bottom Layer w20: L1.1@1575,1649.57 1600.43,1649.57 1610,1640 v5(1630,1640) 1675,1685 1675,2000 1585,2090 1585,2180 ; C1.1@1585,2360 1585,2210 ; R8.2@1635,2429.88 1720.12,2429.88 1757.44,2392.56 R6.1@1757.44,2360 1757.44,2272.44 1717.56,2232.56 R5.1@1695,2232.56 C3.1@1635,2232.56 1627.81,2232.56 1605.26,2210 1585,2210 ; P2.3@1710,3275 1710,3255 1660,3205 1185,3205 1140,3250 P1.4@1140,3260 1065,3335 765,3335 665,3235 665,3015 760,2920 760,2357.44 R9.1@747.56,2345 R10.1@747.56,2260 747.56,2178 R15.1@742.56,2173 818,2173 864,2219 1546,2219 1585,2180 ; 1585,2180 1585,2210
VDDA: C9.2 C10.1 L1.2 U1.13 | length 403.1
  Top Layer w10: v2(1540,2035) 1540,2079.73 U1.13@1573.13,2112.86
  Bottom Layer w10: v2(1540,2035) 1540,2030 1555,2015 1555,1877.56 C9.2@1562.56,1870
  Bottom Layer w15: L1.2@1575,1720.43 C9.2@1575,1857.56
VSSA: C9.1 C10.2 L2.2 U1.12 | length 435
  Top Layer w10: v2(1510,2055) 1510,2077.56 U1.12@1559.21,2126.78
  Bottom Layer w10: C9.1@1490,1852.56 C9.1@1507.44,1870 1510,1872.56 v2(1510,2055)
  Bottom Layer w15: L2.2@1490,1720.43 C9.1@1490,1852.56
pads on no net: DAC1.4 DAC2.4 DAC3.4 DAC4.4 H0.0 H0.1 H0.2 H0.3 H0.4 H0.5 H0.6 H0.7 H0.8 H1.0 H1.1 H1.2 H1.3 H1.4 H1.5 H1.6 H1.7 H1.8 H2.0 H2.1 H2.2 H2.3 H2.4 H2.5 H2.6 H2.7 H2.8 H3.0 H3.1 H3.2 H3.3 H3.4 H3.5 H3.6 H3.7 H3.8 IC1.7 IC2.7 IC3.7 IC4.7 IC4.10 K0.3 K0.4 K1.7 U6.9 U6.10 U6.11 U6.12 U6.13 U6.14 U6.15 USB_SLAVE1.4 USB_SLAVE1.6 USB_SLAVE1.7 USB_SLAVE1.8 USB_SLAVE1.9 USB_SLAVE1.MH1 USB_SLAVE1.MH2 Y1. Y2.

## Polygon pours and split planes (outlines as drawn)
GND on Top Layer "Bottom Layer-No Net" (solid, remove dead copper, pour order 18): 10,3545 15,3540 5710,3540 5710,5 5715,0 5705,10 3605,10 3605,1425 3075,1425 705,1425 705,1510 705,2025 430,2025 -5,2025
AGND on Top Layer "Bottom Layer-No Net" (solid, remove dead copper, pour order 12): 0,2000 665,2000 665,1400 670,1395 1115,1395 3565,1395 3575,1385 3575,0 0,0 -5,5
GND on Bottom Layer "Bottom Layer-No Net" (solid, remove dead copper, pour order 16): -5,3540 5690,3540 5705,3525 5710,3520 5710,-5 3545,-5 3540,0 3540,435 3540,1420 3530,1430 3275,1430 710,1430 705,1435 705,2025 5,2025 0,2020
AGND on Bottom Layer "Bottom Layer-No Net" (solid, remove dead copper, pour order 14): 0,2000 670,2000 670,1400 3485,1400 3485,0 3480,-5 -5,-5

## Keep-outs
Keep-Out Layer:
  lines w7: 0,120 0,3425 ; 125,0 5585,0 ; 125,3543.31 5585,3543.31 ; 5708.66,115 5708.66,3415
  lines w8: 0,120 ccw(c127.5,127.5) 135,0 ; 0,3425 cw(c121.65,3421.65) 125,3543.31 ; 5575,0 ccw(c5579.33,129.33) 5708.66,125 ; 5585,3543.31 cw(c5582.68,3417.32) 5708.66,3415

## Other copper
Top Layer:
  text "HEU" at 2345,2135 h180
  text "Automation" at 2145,1985 h160
  text "2017.05" at 2280,1825 h150

## Silkscreen, mask and mechanical layers (free items; w line width, h text height)
Top Overlay:
  text "0" at 1775,3520 h100 r270
  text "BT0" at 1775,3435 h100 r270
  text "C12" at 320,3410 h70 r270
  text "C11" at 420,3410 h70 r270
  text "C10" at 520,3410 h70 r270
  text "A15" at 625,3410 h70 r270
  text "BEEP" at 2095,3275 h100 r90
  text "1" at 1775,3245 h100 r270
  text "5V" at 15,3200 h70
  text "TX" at 110,3200 h70
  text "RX" at 210,3200 h70
  text "GND" at 310,3200 h70
  text "+" at 2105,3170 h100 r90
  text "GND" at 760,3160 h70
  text "CLK" at 905,3160 h70
  text "DIO" at 1035,3160 h70
  text "3.3" at 1150,3160 h70
  text "REST" at 1330,3075 h100
  text "Relay" at 1935,3045 h100
  text "LOAD" at 270,2475 h100
  text "SCL" at 270,2373.75 h100
  text "3.3V" at 3810,2330 h100
  text "GND" at 3050,2290 h100
  text "SDK" at 270,2272.5 h100
  text "3.3V" at 3059.66,2190 h100
  text "GND" at 270,2171.25 h100
  text "3.3" at 800,2150 h100
  text "CH1" at 3810,2130 h100
  text "SCL" at 3072.45,2090 h100
  text "VCC" at 270.1,2070 h100
  text "SDA" at 3059.27,1990 h100
  text "3.3" at 20,1965 h100
  text "ADC1-6" at 170,1965 h100
  text "0V" at 530,1965 h100
  text "CH2" at 3810,1935 h100
  text "RES" at 3066.88,1890 h100
  text "DC" at 3120.47,1790 h100
  text "CH3" at 3810,1730 h100
  text "CS" at 3124.08,1690 h100
  text "CH4" at 3810,1530 h100
  text "CH5" at 3810,1330 h100
  text "CH6" at 3810,1130 h100
  text "CH7" at 3810,930 h100
  text "CH8" at 3810,725 h100
  text "3.3" at 30,600 h100 r270
  text "0V" at 130,600 h100 r270
  text "5V" at 235,600 h100 r270
  text "DC5V_IN" at 390,480 h100
  text "NO" at 2960,475 h100
  text "OK" at 3295,475 h100
  text "DC24V_IN" at 2145,455 h100
  text "Analog_Signal_Out" at 1195,400 h100
  text "--" at 665,390 h100
  text "+" at 460,380 h100
  text "--" at 2430,380 h100
  text "+" at 2230,375 h100
  text "Line21-24" at 5010,160 h100
  text "GND" at 1060,15 h100
  text "CH1" at 1280,15 h100
  text "CH2" at 1485,15 h100
  text "CH3" at 1690,15 h100
  text "CH4" at 1895,15 h100
Bottom Overlay:
  text "Electrical" at 2905,2360 h180
  text "Experiment" at 2990,2160 h180
  text "Platform" at 2870,1955 h180
Top Solder:
  text "HEU" at 2345,2135 h180
  text "Automation" at 2145,1985 h160
  text "2017.05" at 2280,1825 h150